# Altium PCB eps_alpha-test_boost-mppt.PcbDoc (continued)
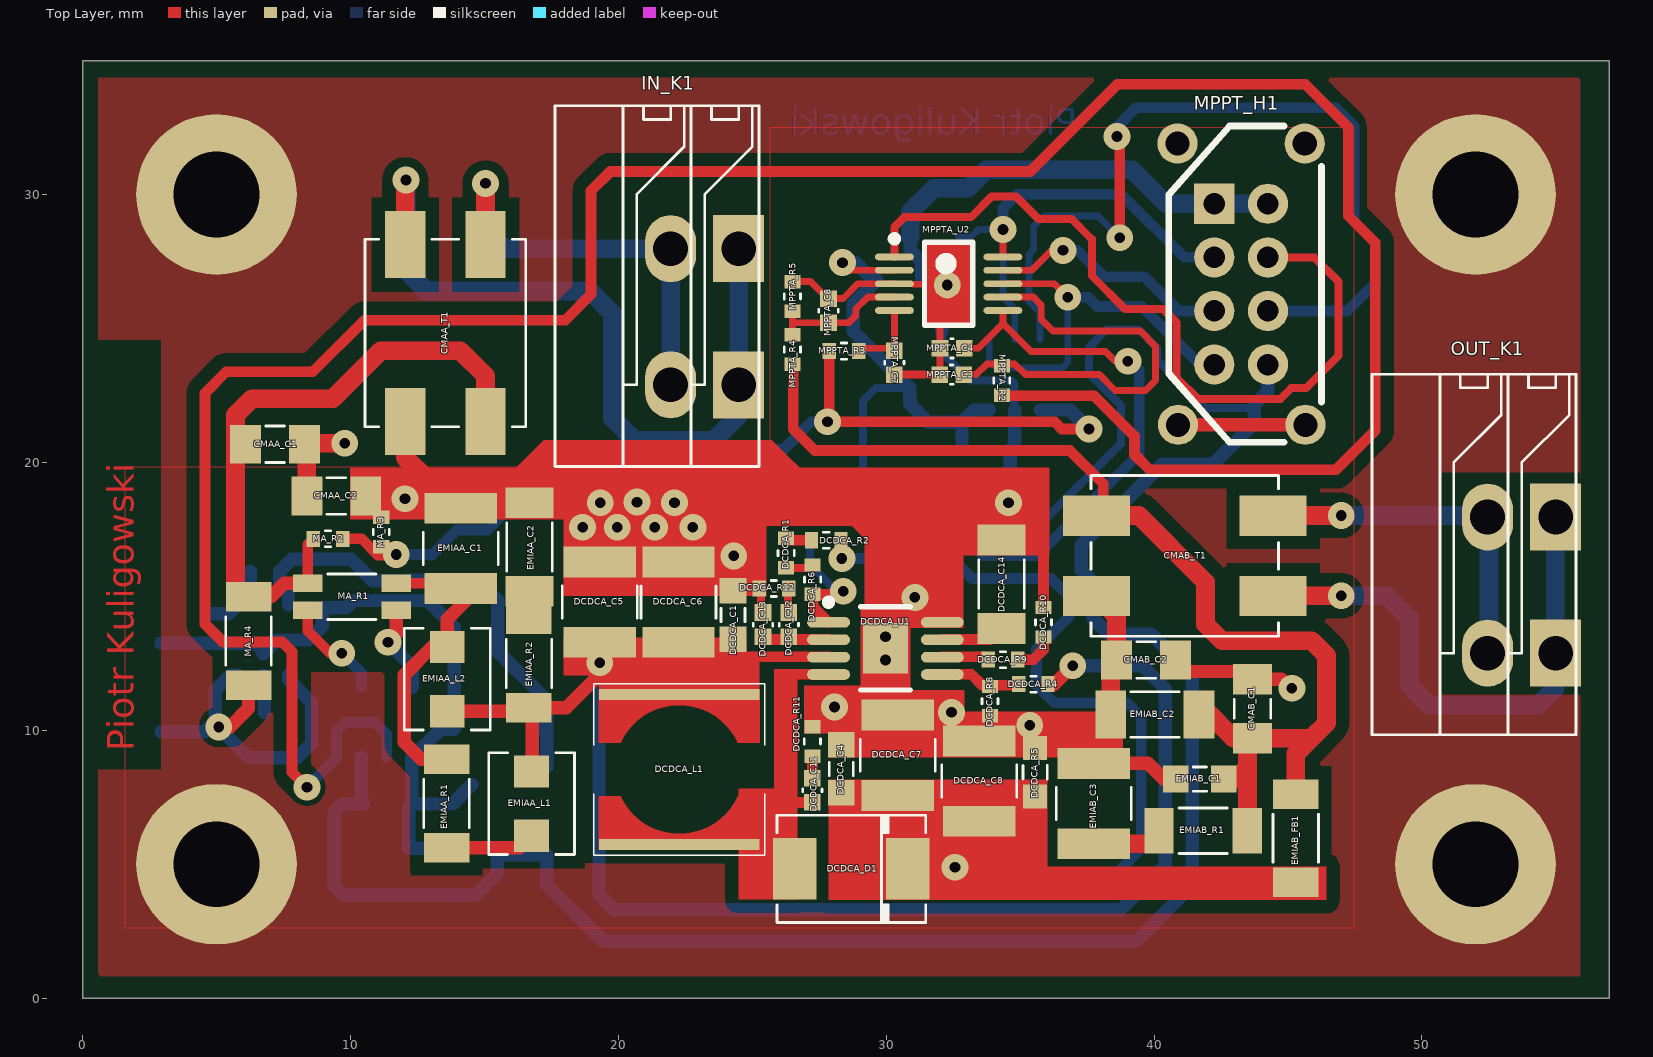
[diagram p0: Top Layer view]
## Footprints (in the part's own frame and the unit in brackets; to place one, negate y for a bottom-side part, rotate by r counter-clockwise, add the part's x,y. Pads: shape width x height; smd on the part's side, far side on the other; paste and mask are expansions set on the pad) (continued)
SOD323 [mm] "JEDEC standard."
  rect 0.8x0.6 smd: A(1.25,0) K(-1.25,0)
  silkscreen extent -0.65,-0.65 0.65,0.65, body extent -1.3,-0.67 1.3,0.68, height 1.1
SOT23-3 [mm] "JEDEC TO-236AB package."
  rect 1.22x0.62 smd: 1(-1.31,0.95) 2(-1.31,-0.95) 3(1.31,0)
  silkscreen extent -0.85,-1.45 0.85,1.45, body extent -1.4,-1.45 1.4,1.45, height 1.3
SOT23-5 [mm] "JEDEC MO-178AA package."
  rect 1.22x0.62 smd: 1(-1.31,0.95) 2(-1.31,0) 3(-1.31,-0.95) 4(1.31,-0.95) 5(1.31,0.95)
  silkscreen extent -0.85,-1.45 0.85,1.45, body extent -1.4,-1.45 1.4,1.45, height 1.45
SOT23-6 [mm] "JEDEC MO-178AB package."
  rect 1.22x0.62 smd: 1(-1.31,0.95) 2(-1.31,0) 3(-1.31,-0.95) 4(1.31,-0.95) 5(1.31,0) 6(1.31,0.95)
  silkscreen extent -0.85,-1.45 0.85,1.45, body extent -1.4,-1.45 1.4,1.45, height 1.45
TDK_ACM7060 [mm] "TDK Common Mode Filters ACM7060 Series"
  rect 2.5x1.5 smd: 1(-3.3,1.5) 2(-3.3,-1.5) 3(3.3,-1.5) 4(3.3,1.5)
  silkscreen extent -3.5,-3 3.5,3, body extent -3.5,-3 3.5,3, height 3.5
TerminalBlock_Spring_2.54_2-R [mm] "Terminal block with spring, 2.54mm pitch, right angle, 2-pin."
  rect 2.5x1.9 hole 1.3: 1(0,0) 1(5.08,0)
  oval 2.5x1.9 hole 1.3: 2(0,2.54) 2(5.08,2.54)
  silkscreen extent -3.05,-0.76 10.41,6.86, body extent -3.05,-0.74 10.41,6.86, height 12.6
Vishay_IHLP1212 [mm] "Vishay Shielded Power Inductor - IHLP1212 Series."
  rect 1.2x1.3 smd: 1(-1.2,0) 2(1.2,0)
  silkscreen extent -1.9,-1.6 1.9,1.6, body extent -1.83,-1.5 1.83,1.5, height 2.02

## Part data
CMAA_C1 CMAA_C2 CMAB_C1 CMAB_C2: library part Cer_C0805T104K1RCLTU, "Ceramic Cap Kemet COTS 100n/100V X7R 0805"
CMAA_T1 CMAB_T1: library part ACM7060-301-2PL-TL01, "TDK ACM7060-301 Common Mode Choke"
DCDCA_C1 DCDCA_C4 EMIAB_C1 MA_C1 MA_C4 MA_C6 MPPTA_C2 MPPTA_C5: library part Cer_C0603T104K5RALTU, "Ceramic Cap Kemet COTS 100n/50V X7R 0603"
DCDCA_C5 DCDCA_C6 DCDCA_C7 DCDCA_C8 EMIAA_C1 EMIAB_C3: library part Cer_GCJ32ER71E106KA12L, "Ceramic Cap Murata Automotive 10u/25V X7R 1210"
DCDCA_C11 DCDCA_C12: library part Cer_C0402T102K3GAL, "Ceramic Cap Kemet COTS 1n/25V C0G 0402."
DCDCA_C13: library part Cer_GCM1555C1H470JA16D, "Ceramic Cap Murata Automotive 47p/50V C0G 0402"
DCDCA_C14 MA_C2 MPPTA_C1 MPPTA_C6: library part Cer_C1206T105K3RALTU, "Ceramic Cap Kemet COTS 1u/25V X7R 1206"
DCDCA_D1: library part STPS340x, "3A/40V Power Schottky Rectifier."
DCDCA_D2: "Madium Power AF Schottky 750mA 40V Diode"
DCDCA_L1: library part MSS6132-682MLx, "Coilcraft MSS6132 Inductor, L=6.8uH, Irise20deg=2.1A, ESR=52mR, SRF=47MHz."
DCDCA_R1 MA_R3 MPPTA_R5: library part CRCW04024K70FKxxxx, "4.7k/1% Vishay CRCW 0402 Resistor. 63mW, 100ppm, 50V."
DCDCA_R2 DCDCA_R11: library part CRCW040210R0FKxxxx, "10R/1% Vishay CRCW 0402 Resistor. 63mW, 100ppm, 50V."
DCDCA_R4: library part CRCW040215K0FKxxxx, "15k/1% Vishay CRCW 0402 Resistor. 63mW, 100ppm, 50V."
DCDCA_R5: library part CRCW06034K70FKxxxx, "4.7k/1% Vishay CRCW 0603 Resistor. 100mW, 100ppm, 75V."
DCDCA_R6 DCDCA_R10: library part CRCW040275K0FKxxxx, "75k/1% Vishay CRCW 0402 Resistor. 63mW, 100ppm, 50V."
DCDCA_R7 DCDCA_R9: library part CRCW0402100KFKxxxx, "100k/1% Vishay CRCW 0402 Resistor. 63mW, 100ppm, 50V."
DCDCA_R8 MA_R2 MPPTA_R3: library part CRCW040210K0FKxxxx, "10k/1% Vishay CRCW 0402 Resistor. 63mW, 100ppm, 50V."
DCDCA_R12: library part CRCW040227K0FKxxxx, "27k/1% Vishay CRCW 0402 Resistor. 63mW, 100ppm, 50V."
DCDCA_U1: library part LT3580MPMS8E, "Boost Conv 2A, Soft-Start, Synchro"
EMIAA_C2 MA_C3 MA_C5: library part Cer_C1206T106K4RACTU, "Ceramic Cap Kemet COTS 10u/16V X7R 1206"
EMIAA_L1: library part IHLP1212BZERR56M11, "Vishay IHLP1212 Inductor, L=0.56uH, Irise40deg=5.5A, ESR=16mR, SRF=1MHz."
EMIAA_L2: library part IHLP1212BZER1R0M11, "Vishay IHLP1212 Inductor, L=1uH, Irise40deg=5A, ESR=20mR, SRF=1MHz."
EMIAA_R1: library part ERJ-8BQFR22V, "Panasonic Resistor 0.22R 1% 1206 330mW"
EMIAA_R2: library part ERJ-8BQFR33V, "Panasonic Resistor 0.33R 1% 1206 330mW"
EMIAB_C2: library part Cer_GCJ31CR71H225KA12L, "Ceramic Cap Murata Automotive 2.2u/50V X7R 1206"
EMIAB_FB1: library part BLM31PG121SH1L, "Ferrite bead, 1206, 0.02HM, 3.5A."
EMIAB_R1: library part ERJ-8BQFR47V, "Panasonic Resistor 0.47R 1% 1206 330mW"
IN_K1 OUT_K1: library part TerminalBlock_Spring_2.54_2-R, "Terminal block with spring, 2-pin, 2.54mm pitch, right angle."
MA_R1: library part ERJ-8BWFR068V, "Panasonic Resistor 68mR 1% 1206 1W"
MA_R4 MA_R5: library part CRCW120624R0FKxxxx, "24R/1% Vishay CRCW 1206 Resistor. 250mW, 100ppm, 200V."
MA_R6 MPPTA_R4: library part CRCW040222K0FKxxxx, "22k/1% Vishay CRCW 0402 Resistor. 63mW, 100ppm, 50V."
MA_R7: library part CRCW040213K0FKxxxx, "13k/1% Vishay CRCW 0402 Resistor. 63mW, 100ppm, 50V."
MA_REF1: library part LM4040DIM3-3.0, "Shunt V-REF, 3V, 1%, SOT23-3"
MA_U1: "100mA, Regulated, Low Noise, LDO Micropower Regulator in TSOT-23"
MA_U2: "High-Side Current-Sense Amplifier with Voltage Output"
MPPT_H1: library part Harwin_Datamate_L-Tek_2x4pin, "Harwin DataMate L-Tek, 2mm pitch, 2x4pin."
MPPTA_C3 MPPTA_C4 MPPTA_C7 MPPTA_C8: library part Cer_C0402T103K5RALTU, "Ceramic Cap Kemet COTS 10n/50V X7R 0402"
MPPTA_R1: library part CRCW06031K00FKxxxx, "1k/1% Vishay CRCW 0603 Resistor. 100mW, 100ppm, 75V."
MPPTA_R2: library part CRCW0402220RFKxxxx, "220R/1% Vishay CRCW 0402 Resistor. 63mW, 100ppm, 50V."
MPPTA_U1: "12-Bit Micro Power, RRO Digital-to-Analog Converter."
MPPTA_U2: library part ADC124S021CIMM/NOPB

## Free pads (board coordinates)
  round 6 hole 3.2: 0(5,5) 0(5,30) 0(52,5) 0(52,30)
  round 1 hole 0.4: 2(32.283,26.619)

## Via types
v1: diameter 1, hole 0.4, Top Layer to Bottom Layer, 41 vias

## Nets (pads, with @x,y where several pads share a name; then routed paths per layer and width w, separated by ;. In a path a pad name is that pad's centre, name@x,y a point inside that pad or via, vN(x,y) a via of type N, cw(c..) or ccw(c..) an arc to the next point about the centre after c; other vN are vias at no path point)
CONVCTRL: DCDCA_D2.A MPPTA_R3.1 MPPTA_U1.1 | length 17.3
  Top Layer w0.4: MPPTA_R3.1@27.873,24.257 27.873,21.514 v1(27.813,21.514) 36.29,21.514 36.559,21.245 v1(37.575,21.245)
  Bottom Layer w0.4: DCDCA_D2.A 26.167,20.478 27.203,21.514 v1(27.813,21.514)
  Bottom Layer w0.5: MPPTA_U1.1 36.863,21.956 v1(37.575,21.245)
DCDCA_GND: CMAA_C2.2 CMAA_T1.3 CMAB_C2.2 CMAB_T1.2 DCDCA_C1.2 DCDCA_C4.2 DCDCA_C5.2 DCDCA_C6.2 DCDCA_C7.2 DCDCA_C8.2 DCDCA_C13.2 DCDCA_C14.2 DCDCA_R5.2 DCDCA_R8.2 DCDCA_R10.2 DCDCA_R11.2 DCDCA_R12.2 DCDCA_U1.8 DCDCA_U1.9 EMIAA_C1.2 EMIAA_C2.2 EMIAB_C1.2 EMIAB_C2.2 EMIAB_C3.2 MA_C1.2 MA_C2.2 MA_C3.2 MA_C4.2 MA_C5.2 MA_C6.2 MA_R3.2 MA_R7.2 MA_REF1.2 MA_REF1.3 MA_U1.2 MA_U2.1 MPPT_H1.1 MPPT_H1.2 MPPTA_C1.1 MPPTA_C2.1 MPPTA_C3.2 MPPTA_C4.2 MPPTA_C5.2 MPPTA_C6.2 MPPTA_C7.2 MPPTA_C8.2 MPPTA_R1.2 MPPTA_R5.2 MPPTA_U1.2 MPPTA_U2.3 pad.2 | length 89.3
  Top Layer w0.254: MPPTA_R5.2 27.169,26.748 27.803,26.115 MPPTA_C8.2 28.398,26.115 28.953,26.67 MPPTA_U2.3 pad.2 32.269,25.819 32.009,25.559 MPPTA_C4.2 MPPTA_C3.2@32.009,23.277
  Top Layer w0.3: DCDCA_C13.2@25.324,14.395 DCDCA_R12.2@25.324,15.223 ; MPPTA_C7.2 MPPTA_C3.2@31.99,23.274
  Top Layer w0.4: DCDCA_C6.2@23.004,16.418 23.614,16.418 ; DCDCA_C8.2@32.503,9.764 DCDCA_C8.2@33.57,9.764 ; DCDCA_C14.2 35.518,17.104 35.873,16.749 DCDCA_R10.2
  Top Layer w0.5: EMIAB_C3.2 39.775,8.764 40.361,8.179 EMIAB_C1.2
  Top Layer w0.7: CMAA_T1.3 12.046,20.18 12.843,19.383 EMIAA_C1.2@12.843,18.603 ; CMAB_T1.2 38.6,14.258 CMAB_C2.2 38.38,12.404 EMIAB_C2.2@38.38,10.991 ; EMIAB_C2.2@38.354,11.018 EMIAB_C2.2@38.38,10.991 ; EMIAB_C2.2 EMIAB_C2.2@38.38,10.991
  Bottom Layer w0.254: MPPTA_C5.2 pad.2 ; MPPTA_C2.1 MPPTA_C2.1@34.796,20.639
  Bottom Layer w0.3: MPPTA_C6.2 32.077,24.101 33.124,23.054 34.679,23.054 34.796,22.937 MPPTA_U1.2
  Bottom Layer w0.5: MA_C2.2 MA_R7.2@4.646,13.243 ; MA_R7.2 6.451,13.253 6.739,12.965 6.739,12.863 7.247,13.371 8.441,13.371 8.949,13.879 MA_C4.2 9.838,14.579 10.103,14.844 12.886,14.844 13.877,13.853 MA_C3.2 13.368,10.044 MA_U2.1 12.287,8.963 MA_C6.2 ; MA_U1.2 6.79,12.01 MA_C1.2@6.79,10.668 ; 13.587,5.355 13.344,5.599 12.174,5.599 12.174,7.136 MA_C6.2 ; 14.537,7.975 13.811,7.25 MA_C6.2 ; MPPTA_C1.1 31.165,19.177 34.034,19.177 ; MPPTA_R1.2 30.899,27.925 31.327,27.497 MPPTA_C5.2 ; MPPTA_C6.2 pad.2@32.077,26.478 ; v1(34.569,18.491) 34.773,18.491 34.849,18.567 34.239,19.177 34.034,19.177 ; MPPTA_C2.1 34.629,19.772 34.034,19.177 ; MPPTA_C2.1@34.796,20.639 MPPTA_U1.2
  Bottom Layer w0.7: MPPTA_R1.2 30.899,29.352 31.783,30.237 33.053,30.237 33.739,30.922 39.175,30.922 40.445,29.652 MPPT_H1.1 MPPT_H1.2
  other v1: 35.357,10.185 32.436,10.668 28.067,10.871 29.972,12.624 29.972,13.487 31.071,14.961 24.308,16.51 18.669,17.577 19.964,17.577 21.361,17.577 22.784,17.577 19.329,18.491 22.098,18.491 20.701,18.517 12.04,18.644
MEASCH0_3V0: MA_C5.1 MA_C6.1 MA_R5.2 MA_REF1.1 MA_U2.3 MPPT_H1.8 MPPTA_C1.2 MPPTA_C2.2 MPPTA_C5.1 MPPTA_C6.1 MPPTA_U1.3 MPPTA_U2.2 | length 110.7
  Top Layer w0.254: v1(28.37,27.457) 28.657,27.17 MPPTA_U2.2
  Bottom Layer w0.3: MPPTA_C1.2@30.884,22.785 29.617,22.785 29.134,22.301 29.134,18.974 29.972,18.136 33.02,18.136 33.833,17.323 35.382,17.323 38.76,20.701 38.76,22.123 37.575,23.309 37.575,24.293 38.25,24.968 39.421,24.968 40.132,24.257 40.132,23.818 41.918,22.032 43.62,22.032 43.739,22.151
  Bottom Layer w0.5: MA_U2.3 10.412,7.325 MA_C6.1 9.685,7.25 9.398,6.962 9.398,4.21 9.762,3.846 14.689,3.846 15.487,4.644 15.487,5.355 MA_R5.2@17.321,5.355 ; MA_R5.2 17.331,4.234 19.431,2.134 39.345,2.134 41.427,4.216 41.427,12.065 39.903,13.589 38.303,13.589 37.719,14.173 37.719,15.545 37.287,15.977 37.287,16.916 40.31,19.939 42.215,19.939 43.739,21.463 43.739,22.151 44.248,22.661 MPPT_H1.8 ; v1(28.37,27.457) 28.867,27.457 MPPTA_C5.1 ; MPPTA_C5.1@29.654,26.797 28.777,25.92 MPPTA_C6.1 30.884,22.785 MPPTA_C1.2 30.884,22.195 31.577,21.503 32.829,21.503 ; MPPTA_C2.2 32.829,21.503 ; MPPTA_U1.3 33.283,21.956 32.829,21.503
MEASCH0_I: MA_U2.2 MPPTA_R2.1 | length 101.4
  Top Layer w0.4: v1(8.382,7.874) 7.823,8.433 7.823,12.931 7.46,13.295 5.247,13.295 4.572,13.97 4.572,22.581 5.37,23.379 8.596,23.379 10.526,25.309 18.017,25.309 18.982,26.274 18.982,30.135 19.708,30.861 35.38,30.861 38.631,34.112 45.644,34.112 47.244,32.512 47.244,29.21 48.26,28.194 48.26,21.186 46.795,19.721 39.842,19.721 39.268,20.295 39.268,20.98 37.759,22.49 MPPTA_R2.1@34.315,22.49
  Bottom Layer w0.4: v1(8.382,7.874) 9.482,8.974 9.482,9.967 9.812,10.298 10.905,10.298 11.362,9.84 MA_U2.2
MEASCH0_V: MA_R2.2 MA_R3.1 MPPTA_C4.1 MPPTA_U2.6 | length 45.8
  Top Layer w0.254: MPPTA_C4.1 33.424,24.257 34.357,25.19 ; MPPTA_U2.6@34.05,25.67 MPPTA_U2.6 34.357,25.19 ; v1(39.022,23.772) 38.553,23.772 38.184,24.141 35.406,24.141 34.357,25.19
  Top Layer w0.4: MA_R2.2 10.423,17.145 11.032,16.535 v1@11.681,16.535 ; v1@11.681,16.563 v1(11.709,16.563)
  Bottom Layer w0.4: v1(11.709,16.563) 13.002,16.563 13.03,16.535 13.97,17.475 15.113,17.475 17.45,19.812 23.317,19.812 23.851,19.279 27.864,19.279 29.845,17.297 32.827,17.297 33.615,16.51 35.636,16.51 39.446,20.32 39.446,23.45 v1@39.124,23.772
MPPTA_CS_ADC: MPPT_H1.4 MPPTA_U2.1 | length 29.8
  Top Layer w0.3: MPPTA_U2.1 30.307,28.783 30.683,29.159 33.172,29.159 33.934,29.921 34.85,29.921 35.688,29.083 36.925,29.083 37.676,28.332 37.676,26.967 38.913,25.73 40.335,25.73 40.843,25.222 40.843,23.158 41.639,22.363 44.712,22.363 45.118,22.769 45.677,22.769 46.888,23.98 46.888,26.746 45.982,27.652 MPPT_H1.4
MPPTA_CS_DAC: MPPT_H1.6 MPPTA_U1.6 | length 32.4
  Top Layer w0.4: v1(38.718,28.382) v1@38.718,32.167
  Bottom Layer w0.254: MPPTA_U1.6 35.746,25.593 35.329,26.009 35.329,27.762 35.507,27.94 35.507,28.803 35.899,29.195 37.905,29.195 v1(38.718,28.382)
  Bottom Layer w0.4: v1(38.616,32.167) 38.616,32.523 39.327,33.234 46.776,33.234 47.473,32.537 47.473,28.981 48.26,28.194 48.26,26.698 47.214,25.652 MPPT_H1.6
MPPTA_DIN: MPPT_H1.7 MPPTA_U1.4 MPPTA_U2.8 | length 15.5
  Top Layer w0.254: MPPTA_U2.8 36.269,26.67 v1(36.777,26.162)
  Bottom Layer w0.254: MPPTA_U1.4 33.846,23.805 34.12,23.531 36.584,23.531 36.777,23.724 v1(36.777,26.162)
  Bottom Layer w0.4: v1(36.777,26.162) 37.535,26.162 37.879,25.817 39.537,25.817 41.702,23.652 MPPT_H1.7
MPPTA_DOUT: MPPT_H1.5 MPPTA_U2.9 | length 9.1
  Top Layer w0.254: MPPTA_U2.9 35.423,27.17 36.167,27.914 v1(36.599,27.914)
  Bottom Layer w0.4: v1(36.599,27.914) 37.128,27.914 38.108,26.935 39.632,26.935 40.914,25.652 MPPT_H1.5
MPPTA_SCLK: MPPT_H1.3 MPPTA_R1.1 MPPTA_U1.5 MPPTA_U2.10 | length 17
  Top Layer w0.254: MPPTA_U2.10 v1(34.357,28.695)
  Bottom Layer w0.254: MPPTA_R1.1 33.17,28.422 33.443,28.695 v1(34.357,28.695) 34.357,26.169 34.796,25.73 MPPTA_U1.5
  Bottom Layer w0.4: v1(34.357,28.695) 34.357,29.483 34.882,30.008 38.768,30.008 41.124,27.652 MPPT_H1.3
NetCMAA_C1_1: CMAA_C1.1 CMAA_T1.4 MA_R1.1 MA_R2.1 MA_R4.1 | length 24.4
  Top Layer w0.4: MA_R1.1 8.408,16.934 MA_R2.1
  Top Layer w0.5: MA_R4.1 7.035,14.985 7.536,15.486 MA_R1.1
  Top Layer w0.7: 5.783,21.836 6.325,22.377 ; MA_R4.1 6.122,14.985 5.715,15.392 5.715,21.768 6.325,22.377 ; CMAA_T1.4 15.046,23.225 14.105,24.166 11.133,24.166 9.345,22.377 6.325,22.377
NetCMAA_T1_1: CMAA_T1.1 IN_K1.2 | length 16.3
  Top Layer w0.7: CMAA_T1.1 v1(15.046,30.414)
  Bottom Layer w0.7: v1(15.046,30.414) 15.046,28.686 15.756,27.976 21.954,27.976 IN_K1.2@21.954,22.896
NetCMAA_T1_2: CMAA_T1.2 IN_K1.1 | length 29.7
  Top Layer w0.7: CMAA_T1.2 v1@12.046,30.541
  Bottom Layer w0.7: v1(12.073,30.541) 12.073,27.163 12.835,26.401 18.938,26.401 19.787,25.552 19.787,21.641 20.599,20.828 23.569,20.828 24.494,21.753 24.494,22.896 IN_K1.1@24.494,27.976
NetCMAB_C1_1: CMAB_C1.1 CMAB_T1.1 EMIAB_C1.1 EMIAB_C2.1 EMIAB_FB1.1 EMIAB_R1.2 MPPTA_R4.1 | length 42
  Top Layer w0.4: MPPTA_R4.1@26.526,23.667 26.526,21.252 27.33,20.447 36.855,20.447 38.1,19.202 CMAB_T1.1@38.1,18.021
  Top Layer w0.7: CMAB_T1.1@38.1,18.021 39.427,18.021 41.918,15.53 41.918,13.962 42.534,13.346 45.88,13.346 46.439,12.787 46.439,10.272 45.873,9.706 ; EMIAB_C2.1@41.968,10.704 42.966,9.706 CMAB_C1.1 ; EMIAB_C1.1 43.053,8.179 43.484,8.61 ; EMIAB_R1.2 43.484,8.61 ; EMIAB_FB1.1 45.288,9.121 45.873,9.706 ; 43.484,8.61 43.484,9.519 CMAB_C1.1 ; CMAB_C1.1 45.873,9.706
NetCMAB_T1_3: CMAB_T1.3 OUT_K1.1 | length 20.4
  Top Layer w0.7: CMAB_T1.3@44.448,15.021 v1(46.99,15.021)
  Bottom Layer w0.7: v1(46.99,15.021) 48.676,15.021 49.538,14.158 49.538,11.669 50.275,10.933 54.341,10.933 54.974,11.565 OUT_K1.1@54.974,17.994
NetCMAB_T1_4: CMAB_T1.4 OUT_K1.2 | length 14.4
  Top Layer w0.7: CMAB_T1.4@44.448,18.021 v1(46.99,18.021)
  Bottom Layer w0.7: v1(46.99,18.021) 51.698,18.021 52.502,18.824 52.502,13.744 OUT_K1.2@51.824,13.066
NetDCDCA_C1_1: DCDCA_C1.1 DCDCA_C5.1 DCDCA_C6.1 DCDCA_L1.2 DCDCA_R4.1 DCDCA_U1.3 EMIAA_L1.1 EMIAA_L2.1 EMIAA_R2.2 | length 57.8
  Top Layer w0.4: 23.863,12.741 DCDCA_U1.3@27.838,12.741
  Top Layer w0.5: EMIAA_L2.1 EMIAA_R2.2@16.782,10.713 ; EMIAA_R2.2 18.06,10.847 v1@19.304,12.09 ; EMIAA_L1.1@16.789,8.464 EMIAA_R2.2@16.789,10.72 ; DCDCA_C5.1@20.274,13.143 22.978,13.143 DCDCA_C6.1@23.31,12.812 ; DCDCA_R4.1 36.279,11.72 v1(36.965,12.406)
  Bottom Layer w0.5: v1@19.279,12.16 19.279,3.861 19.837,3.302 38.76,3.302 40.411,4.953 40.411,11.557 39.563,12.406 v1(36.965,12.406) ; v1@19.304,12.401 v1(19.304,12.522)
NetDCDCA_C4_1: DCDCA_C4.1 DCDCA_C7.1 DCDCA_C8.1 DCDCA_D1.K DCDCA_R2.1 DCDCA_R5.1 EMIAB_FB1.2 | length 31
  Top Layer w0.4: v1(28.346,16.408) DCDCA_R2.1@28.346,17.06 ; 33.735,7.301 34.053,7.62
  Bottom Layer w0.4: v1(28.346,16.408) 32.461,16.408 33.203,15.667 36.149,15.667 36.83,14.986 36.83,14.249 35.611,13.03 35.611,11.684 36.271,11.024 38.989,11.024 39.522,10.49 39.522,5.588 38.278,4.343 33.115,4.343 v1(32.571,4.887)
NetDCDCA_C11_1: DCDCA_C11.1 DCDCA_D1.A DCDCA_L1.1 DCDCA_U1.4 | length 2.4
  Top Layer w0.4: 26.296,12.091 DCDCA_U1.4@27.838,12.091 ; 26.415,7.308 DCDCA_C11.1
NetDCDCA_C11_2: DCDCA_C11.2 DCDCA_R11.1 | length 0.8
  Top Layer w0.4: DCDCA_C11.2 DCDCA_R11.1
NetDCDCA_C12_1: DCDCA_C12.1 DCDCA_C13.1 DCDCA_U1.2 | length 2.5
  Top Layer w0.4: DCDCA_C13.1 25.503,13.391 DCDCA_U1.2@27.838,13.391
NetDCDCA_C12_2: DCDCA_C12.2 DCDCA_R12.1 | length 0.8
  Top Layer w0.3: DCDCA_C12.2@26.34,14.369 DCDCA_R12.1@26.34,15.173
NetDCDCA_C14_1: DCDCA_C14.1 DCDCA_U1.7 | length 2.4
  Top Layer w0.4: DCDCA_U1.7@32.088,13.391 33.894,13.391 DCDCA_C14.1
NetDCDCA_D2_K: DCDCA_D2.K DCDCA_R7.2 | length 1.5
  Bottom Layer w0.3: DCDCA_D2.K 26.157,17.978 26.458,18.279 DCDCA_R7.2
NetDCDCA_R1_1: DCDCA_R1.1 DCDCA_R6.1 | length 0.9
  Top Layer w0.3: DCDCA_R1.1 DCDCA_R6.1@27.145,16.062
NetDCDCA_R1_2: DCDCA_R1.2 DCDCA_R2.2 | length 0.9
  Top Layer w0.4: DCDCA_R1.2@26.331,17.094 DCDCA_R2.2
NetDCDCA_R4_2: DCDCA_R4.2 DCDCA_R8.1 DCDCA_U1.5 | length 2.9
  Top Layer w0.4: DCDCA_U1.5@32.088,12.091 33.172,12.091 33.577,11.686 DCDCA_R4.2@34.866,11.686
NetDCDCA_R6_2: DCDCA_R6.2 DCDCA_R7.1 DCDCA_U1.1 | length 5.1
  Top Layer w0.4: DCDCA_R6.2 DCDCA_R6.2@27.28,15.071 ; DCDCA_U1.1@27.838,14.041 27.28,14.6 DCDCA_R6.2@27.28,15.071 ; v1(28.397,15.189) 28.279,15.071 DCDCA_R6.2@27.28,15.071
  Bottom Layer w0.3: DCDCA_R7.1@27.153,17.128 27.153,16.18 28.143,15.189 v1(28.397,15.189)
NetDCDCA_R9_1: DCDCA_R9.1 DCDCA_U1.6 | length 1.8
  Top Layer w0.4: DCDCA_U1.6@32.088,12.741 33.65,12.741 DCDCA_R9.1@33.808,12.584
NetDCDCA_R9_2: DCDCA_R9.2 DCDCA_R10.1 | length 1.6
  Top Layer w0.4: DCDCA_R9.2 35.492,12.634 35.873,13.015 DCDCA_R10.1
NetEMIAA_C1_1: EMIAA_C1.1 EMIAA_L2.2 EMIAA_R1.1 MA_R1.4 | length 11.3
  Top Layer w0.4: MA_R1.4 EMIAA_C1.1@14.376,15.486
  Top Layer w0.5: EMIAA_R1.1 12.65,8.914 12.014,9.55 12.014,12.065 13.062,13.113 EMIAA_L2.2 13.614,14.148 EMIAA_C1.1@14.503,15.037
NetEMIAA_C2_1: EMIAA_C2.1 EMIAA_R2.1
NetEMIAA_L1_2: EMIAA_L1.2 EMIAA_R1.2 | length 3.4
  Top Layer w0.5: EMIAA_R1.2 16.314,5.614 EMIAA_L1.2
NetEMIAB_C3_1: EMIAB_C3.1 EMIAB_R1.1 | length 2
  Top Layer w0.7: EMIAB_C3.1 EMIAB_R1.1@39.7,5.764
NetMA_C1_1: MA_C1.1 MA_C2.1 MA_R4.2 MA_U1.1 MA_U1.3 | length 14
  Top Layer w0.5: v1(5.088,10.12) 5.497,10.12 6.198,10.82 MA_R4.2
  Bottom Layer w0.5: MA_C2.1 4.556,9.943 v1@4.961,10.348 ; MA_U1.3 5.531,12.061 4.961,11.491 v1@4.961,10.348 ; MA_U1.1 7.689,11.888 8.553,11.023 MA_C1.1 8.553,9.521 8.009,8.977 6.206,8.977 4.961,10.221 v1@4.961,10.348
NetMA_C3_1: MA_C3.1 MA_C4.1 MA_R5.1 MA_R6.1 MA_U1.5 | length 17.8
  Bottom Layer w0.5: MA_U1.5 7.689,15.139 7.365,15.463 MA_R6.1 7.808,16.379 MA_C4.1 10.03,16.379 10.824,15.585 12.103,15.585 12.124,15.606 14.74,15.606 15.502,14.844 15.502,12.939 17.177,11.264 MA_C3.1 ; MA_R5.1 MA_C3.1@17.331,10.578
NetMA_R1_2: MA_R1.2 MA_U2.4 | length 4
  Top Layer w0.4: MA_R1.2 8.408,13.715 9.246,12.878 v1(9.677,12.878)
  Bottom Layer w0.4: v1(9.677,12.878) 10.412,12.143 MA_U2.4
NetMA_R1_3: MA_R1.3 MA_U2.5 | length 3.4
  Top Layer w0.5: v1(11.405,13.284) 11.708,13.588 MA_R1.3
  Bottom Layer w0.5: v1(11.405,13.284) 12.312,12.377 MA_U2.5
NetMA_R6_2: MA_R6.2 MA_R7.1 MA_U1.4 | length 2.7
  Bottom Layer w0.5: MA_R7.1 5.461,14.353 MA_U1.4 6.265,15.157 MA_R6.2
NetMPPTA_C3_1: MPPTA_C3.1 MPPTA_R2.2 MPPTA_U2.7 | length 15.9
  Top Layer w0.254: MPPTA_C3.1 33.361,23.277 33.757,23.673 34.798,23.673 35.194,23.277 37.956,23.277 38.55,22.682 39.675,22.682 40.056,23.063 40.056,24.333 39.486,24.903 36.228,24.903 35.786,25.345 35.786,25.882 35.499,26.17 MPPTA_U2.7
NetMPPTA_C7_1: MPPTA_C7.1 MPPTA_R3.2 MPPTA_U2.5 | length 2.7
  Top Layer w0.254: MPPTA_R3.2@28.973,24.257 30.307,24.257 MPPTA_U2.5
NetMPPTA_C8_1: MPPTA_C8.1 MPPTA_R4.2 MPPTA_R5.1 MPPTA_U2.4 | length 5.1
  Top Layer w0.254: 26.5,25.215 MPPTA_C8.1 28.616,25.215 28.862,25.461 28.862,25.715 29.317,26.17 MPPTA_U2.4 ; MPPTA_R5.1 26.5,24.97 MPPTA_R4.2@26.526,24.945
PE: CMAA_C1.2 CMAA_C2.1 CMAB_C1.2 CMAB_C2.1 pad.0 | length 12.5
  Top Layer w0.5: CMAB_C2.1@40.884,12.558 41.251,12.192 43.129,12.192 43.416,11.906 CMAB_C1.2 44.755,11.906 v1@45.118,11.542
  Top Layer w0.7: CMAA_C2.1 CMAA_C1.2@8.374,20.609 ; CMAA_C1.2@8.517,20.752 8.557,20.712 v1(9.787,20.712)
  Bottom Layer w0.5: pad.0@4.017,5 5,5 pad.0@5.77,5 ; pad.0@5,30 pad.0@5,32 ; pad.0@51.638,29.896 pad.0@52.603,29.896
  other v1: 45.144,11.568
pads on no net: MPPT_H1.0
copper on no net: | length 4.7
  Top Layer w0.5: 40.898,21.402 45.648,21.402

## Polygon pours and split planes (outlines as drawn)
PE on Bottom Layer "Bot Layer - GND" (solid, remove dead copper, pour order 6): 0.584,34.366 0.584,0.864 55.829,0.864 55.855,0.889 55.855,34.315
DCDCA_GND on Bottom Layer "Bot Layer - GND" (solid, remove dead copper, pour order 2): 1.6,19.863 1.575,19.837 1.575,2.642 47.371,2.642 47.473,2.743 47.473,32.664 25.705,32.664 25.654,32.614 25.654,19.837
PE on Top Layer "Bot Layer - GND" (solid, remove dead copper, pour order 8): 0.584,34.366 0.584,0.914 0.635,0.864 0.686,0.813 55.905,0.813 55.905,34.29 55.829,34.366
DCDCA_GND on Top Layer "Bot Layer - GND" (solid, remove dead copper, pour order 4): 1.583,2.627 47.487,2.627 47.498,2.616 47.473,2.642 47.473,32.487 25.654,32.487 25.654,19.812 1.598,19.812 1.583,19.797

## Other copper
Top Layer:
  rectangle net NetDCDCA_C1_1: 17.958,12.04 24.79,13.462
  rectangle net NetDCDCA_C1_1: 19.279,11.303 25.273,12.929
  region net DCDCA_GND: 31.443,28.194 31.443,25.146 33.17,25.146 33.17,28.194
  rectangle net DCDCA_GND: 27.83,8.992 32.918,11.506
  rectangle net DCDCA_GND: 29.032,10.348 30.912,14.605
  rectangle net NetDCDCA_C4_1: 27.838,3.668 36.017,8.153
  rectangle net NetDCDCA_C11_1: 24.486,3.683 26.695,7.823
  rectangle net NetDCDCA_C11_1: 25.806,6.818 26.687,8.977
  rectangle net DCDCA_GND: 17.958,15.011 25.527,19.162
  rectangle net DCDCA_GND: 9.982,17.867 29.786,19.812
  rectangle net DCDCA_GND: 29.185,13.818 32.884,19.812
  rectangle net DCDCA_GND: 32.58,16.521 36.093,19.812
  rectangle net NetDCDCA_C11_1: 25.806,8.52 26.687,12.294
  rectangle net DCDCA_GND: 26.941,9.881 29.151,11.669
  rectangle net DCDCA_GND: 19.092,15.809 20.946,16.724
  rectangle net DCDCA_GND: 32.774,8.992 38.845,10.704
  rectangle net NetDCDCA_C4_1: 33.866,3.668 46.431,4.913
  rectangle net DCDCA_GND: 25.121,17.628 29.675,18.045
  rectangle net DCDCA_GND: 17.221,19.279 25.73,20.828
  region net DCDCA_GND: 29.693,16.662 28.042,18.313 28.042,18.542 30.023,18.542 30.099,18.466
  pour cut-out: 36.271,8.687 36.527,8.431 36.527,6.839 40.748,6.839 40.792,6.883 39.345,8.331 38.125,8.331
  pour cut-out: 6.426,21.615 8.28,21.615 8.306,21.59 8.28,21.565 8.28,19.583 8.28,17.348 6.505,15.572 6.452,19.66
  pour cut-out: 8.529,12.172 11.639,12.172 11.639,14.269 11.422,14.486 8.408,14.486
  pour cut-out: 36.5,17.272 36.5,13.183 40.97,8.484 40.97,14.864 39.522,17.272
  pour cut-out: 12.268,8.941 12.222,8.894 12.222,4.775 12.268,4.822 18.766,4.822 18.766,10.09 16.173,10.09 15.469,10.795 15.316,10.643 14.757,10.643
  pour cut-out: 19.072,6.714 19.072,6.227 25.883,6.223 25.908,11.455 26.01,11.557 25.654,11.913 20.701,11.913 20.701,11.735 18.517,9.55 18.517,8.128 19.126,7.518
  pour cut-out: 40.615,30.836 45.771,30.836 45.771,26.289 45.644,26.162 45.568,23.343 40.665,26.06
  pour cut-out: 50.698,19.634 50.648,11.684 50.648,11.328 55.88,11.328 55.905,19.634
  region net DCDCA_GND: 25.73,20.828 27.381,19.177 27.381,18.948 25.4,18.948 25.324,19.025
  region net DCDCA_GND: 17.221,20.828 15.748,19.355 15.748,18.948 17.577,18.948 17.653,19.025
  pour cut-out: 44.348,7.493 44.374,7.468 46.634,7.468 46.634,5.131 46.66,5.105 46.609,5.055 44.298,5.055
  text "Piotr Kuligowski" at 1.905,9.22 h1 r90
Bottom Layer:
  rectangle net DCDCA_GND: 31.496,25.679 33.02,27.483
  pour cut-out: 9.55,7.722 9.55,7.115 9.55,3.734 14.529,3.734 16.129,5.334 18.644,5.334 18.644,11.43 18.745,11.532 18.593,11.684 16.383,11.684 16.383,11.709 14.884,13.208 14.783,13.106 9.423,13.106
  pour cut-out: 22.301,32.944 21.798,32.908 21.819,35.001 37.846,35.001 37.86,34.987 37.86,33.022
  pour cut-out: 27.762,18.821 27.762,19.05 27.407,19.406 27.813,19.812 28.321,19.812 29.591,21.082 29.591,21.895 30.556,21.895 32.055,20.396 32.055,19.71 31.09,19.71 30.15,18.771
  pour cut-out: 1.065,12.7 3.81,12.7 3.81,10.744 3.734,10.82 1.524,10.82
  pour cut-out: 49.809,19.863 56.134,19.863 56.134,11.557 49.809,11.557
  pour cut-out: 22.53,29.591 20.523,29.591 20.523,21.107 25.984,21.107 25.984,29.591
  pour cut-out: 40.488,20.472 46.838,20.472 46.838,32.639 40.488,32.639
  text "Piotr Kuligowski" at 37.16,32.233 h1

## Silkscreen, mask and mechanical layers (free items; w line width, h text height)
Mechanical 1:
  the board outline again, w0.1